# Altium PCB board_layout.pcbdoc (part 1 of 3)
Units mm, origin at the board's own origin, x right, y up, seen from the top; angles counter-clockwise.
Board outline 92.13 x 89.13 mm, 2 copper layers (Top Layer, Bottom Layer), stack 1.57 mm thick; 193 components, 117 nets, 632 pads, 279 vias.
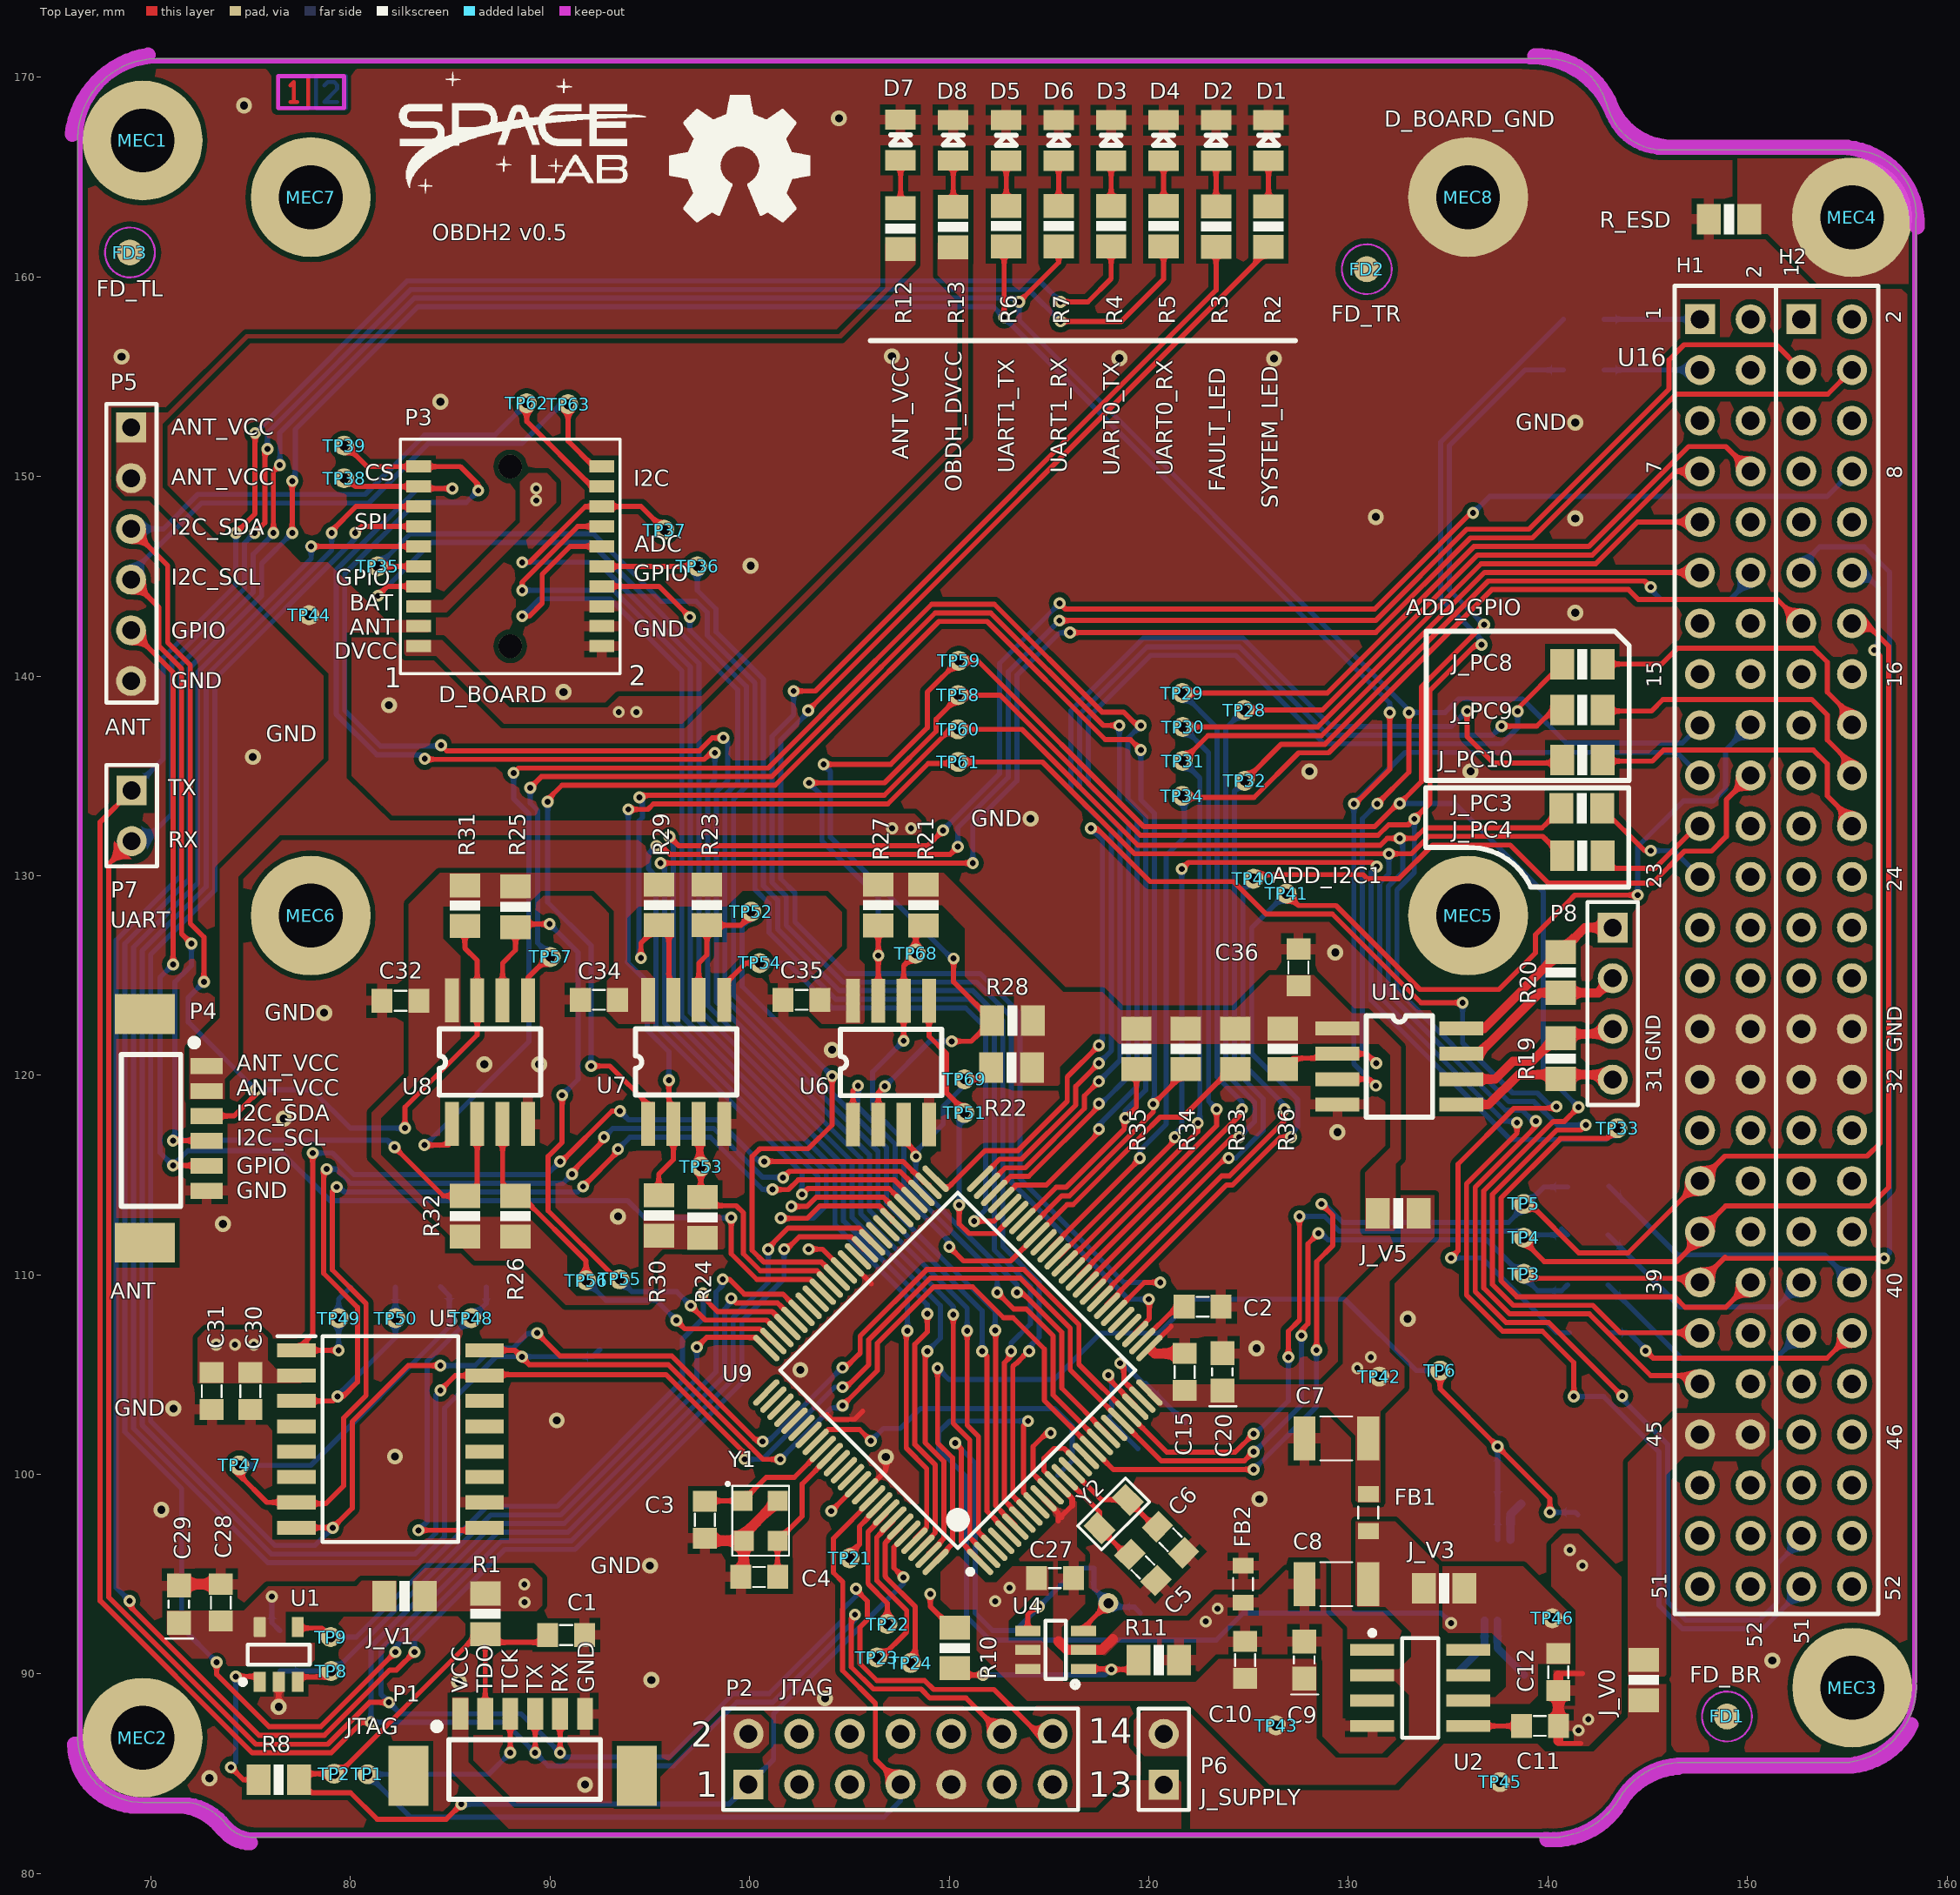
[diagram p0: Top Layer view]
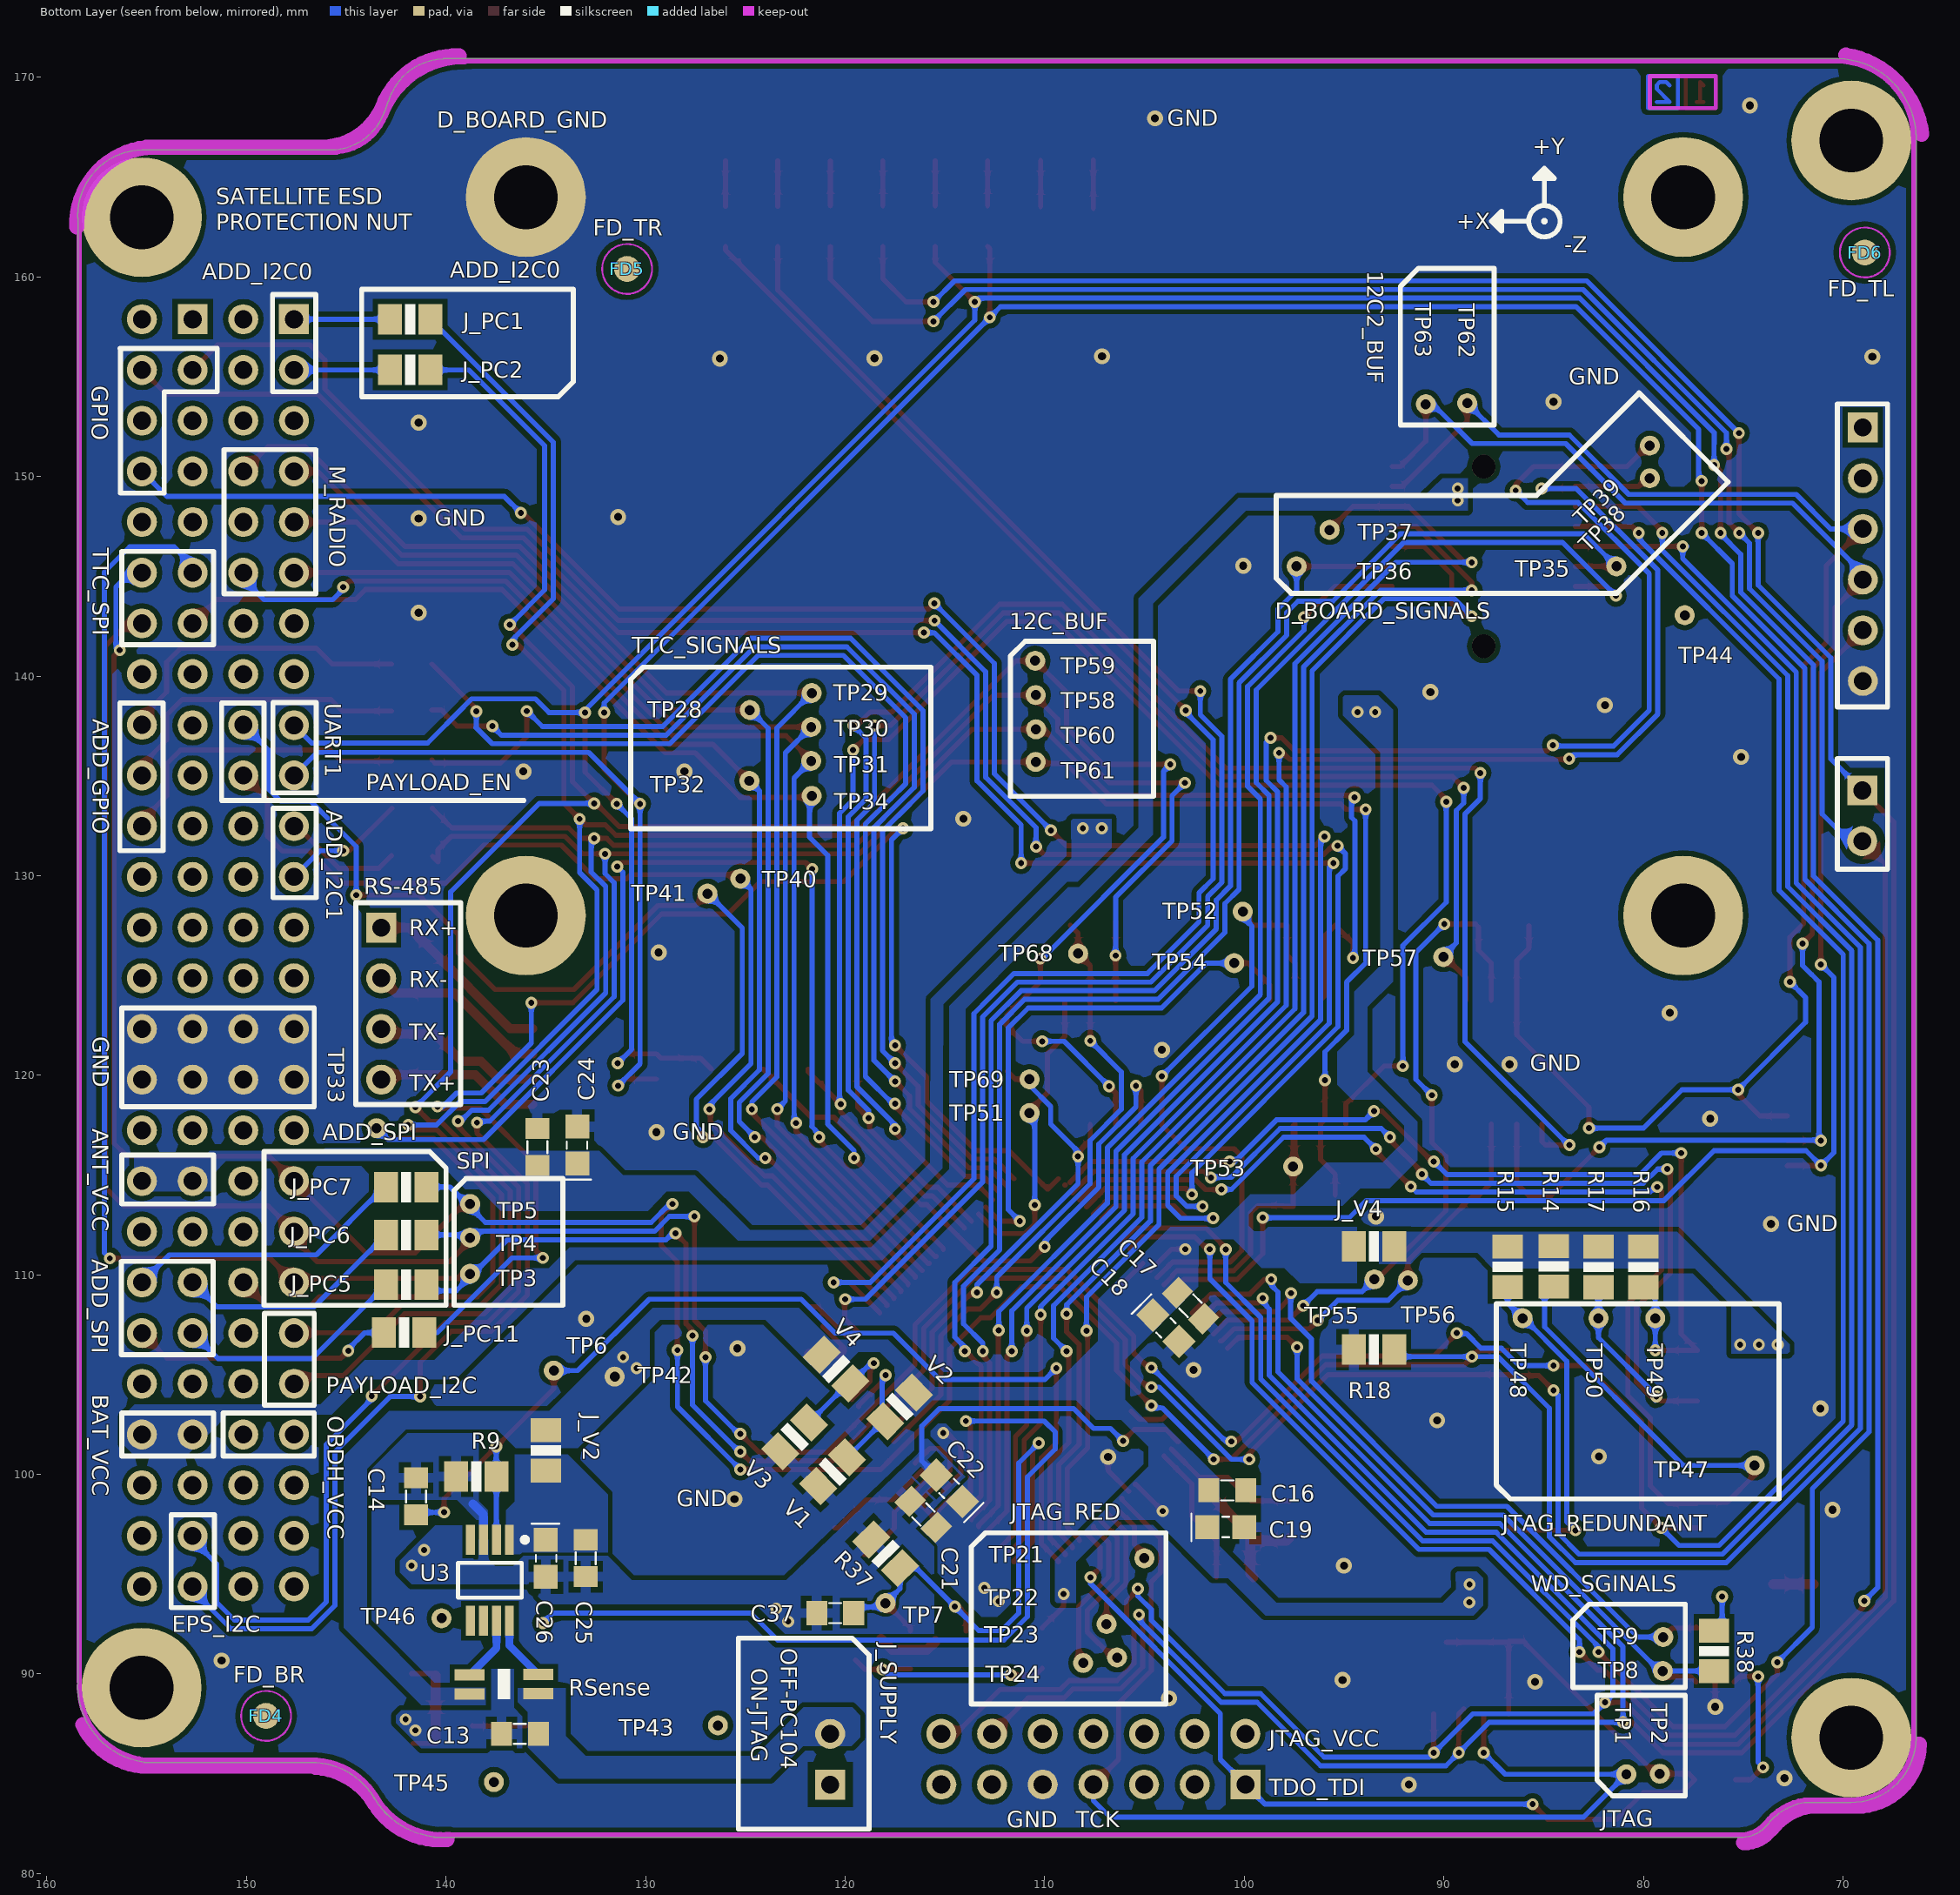
[diagram p1: Bottom Layer view, seen from below]
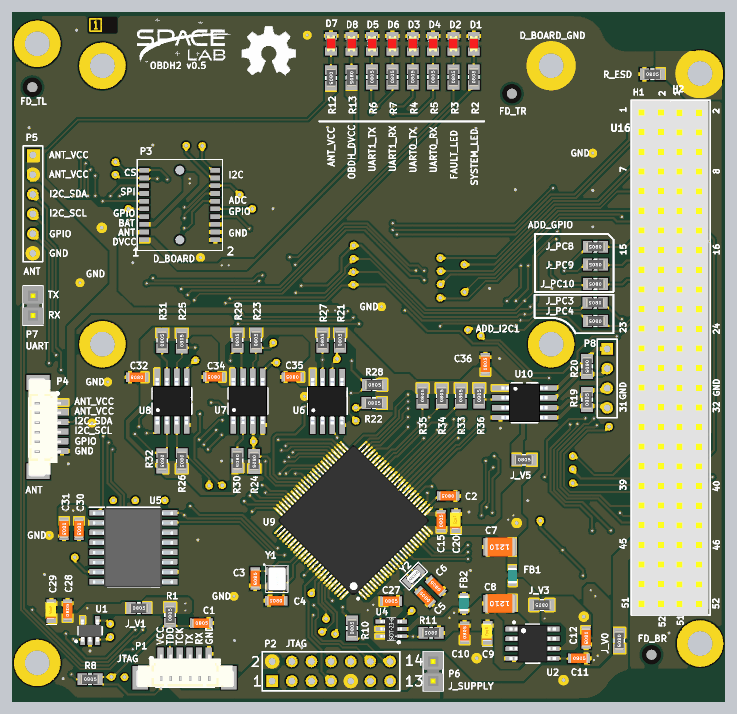
[diagram p4: 3D render of the assembled board from above, using the file's embedded part models]
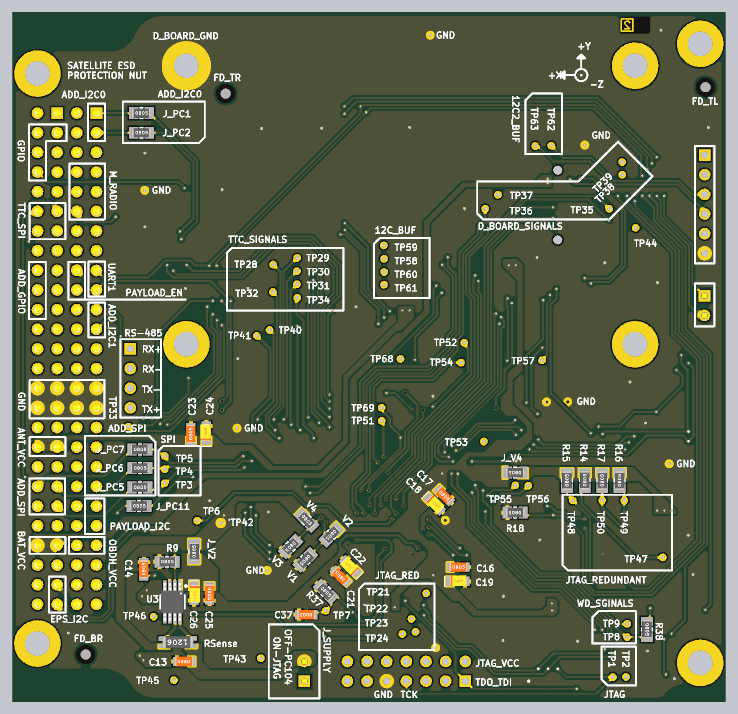
[diagram p5: 3D render of the assembled board from below, using the file's embedded part models]

## Layer stack, top to bottom
Top Solder: solder mask 0.01, Solder Resist, Dk 3.5
Top Layer: signal copper 0.035
Dielectric Core: core 1.5, FR-4, Dk 4.8
Bottom Layer: signal copper 0.035
Bottom Solder: solder mask 0.01, Solder Resist, Dk 3.5

## Board outline
71.919,83.561 cw(c71.435,80.649) 73.785,82.436 ccw(c73.886,82.513) 73.79,82.429 ccw(c75.159,83.622) 75.18,81.806 ccw(c75.159,83.622) 75.18,81.806 75.179,81.806 140.53,81.806 ccw(c140.53,81.934) 140.622,81.845 ccw(c140.155,85.82) 143.595,83.776 ccw(c143.485,83.841) 143.595,83.776 cw(c146.742,81.914) 146.475,85.561 155.084,85.561 ccw(c155.084,85.688) 155.156,85.583 ccw(c154.589,89.404) 158.452,89.404 ccw(c154.589,89.404) 158.434,89.77 158.434,162.921 ccw(c158.329,162.993) 158.456,162.99 ccw(c155.156,163.066) 158.457,163.066 ccw(c155.156,163.066) 155.232,166.365 ccw(c155.229,166.238) 155.229,166.365 145.771,166.365 ccw(c145.771,166.238) 145.765,166.365 ccw(c145.759,166.238) 145.759,166.365 cw(c145.771,169.193) 143.145,168.146 ccw(c143.027,168.099) 143.124,168.181 142.846,168.901 ccw(c142.728,168.855) 142.839,168.917 ccw(c142.711,168.917) 142.839,168.917 ccw(c142.711,168.917) 142.831,168.961 ccw(c140.021,167.944) 140.174,170.929 ccw(c140.121,170.813) 140.121,170.94 70.279,170.94 ccw(c70.279,170.813) 70.263,170.939 ccw(c70.256,170.812) 70.253,170.94 ccw(c70.333,166.938) 66.33,166.967 ccw(c66.454,166.938) 66.327,166.938 66.327,86.788 ccw(c66.454,86.788) 66.327,86.787 ccw(c69.579,86.813) 69.604,83.561 ccw(c69.579,86.813) 69.605,83.561 69.604,83.561

## Design rules (kind name [scope] priority, off if disabled: settings)
Clearance Clearance_6 [InNet('GND')] p1: gap=0.254 ignorepadtopadclearanceinfootprint=FALSE except(0: Arc-Hole Track-Hole SMDPad-Hole THPad-Hole Via-Hole Fill-Hole Poly-Hole Region-Hole Text-Hole; 0.178: Arc-Arc Arc-Track Arc-SMDPad Track-Track Track-SMDPad SMDPad-SMDPad; 0.381: Arc-Text Track-Text SMDPad-Text THPad-Text Via-Text; 0.508: Fill-Text Poly-Text Region-Text Text-Text)
Clearance Clearance_1 [InNet('ESD') And OnLayer('Multi-Layer') vs OnLayer('Keep-Out Layer')] p2: gap=0.254 ignorepadtopadclearanceinfootprint=FALSE except(0: Arc-SMDPad Arc-THPad Arc-Via Arc-Hole Track-SMDPad Track-THPad Track-Via Track-Hole SMDPad-Hole THPad-Hole Via-Hole Fill-Hole Poly-Hole Region-Hole Text-Hole; 0.178: Arc-Arc Arc-Track Track-Track SMDPad-SMDPad; 0.381: Arc-Text Track-Text SMDPad-Text THPad-Text Via-Text; 0.508: Fill-Text Poly-Text Region-Text Text-Text)
Clearance Clearance_2 [OnLayer('Multi-Layer') vs OnLayer('Keep-Out Layer')] p3: gap=0.254 ignorepadtopadclearanceinfootprint=FALSE except(0: Arc-SMDPad Arc-THPad Arc-Via Arc-Hole Track-SMDPad Track-THPad Track-Via Track-Hole SMDPad-Hole THPad-Hole Via-Hole Fill-Hole Poly-Hole Region-Hole Text-Hole; 0.178: Arc-Arc Arc-Track Track-Track SMDPad-SMDPad; 0.381: Arc-Text Track-Text SMDPad-Text THPad-Text Via-Text; 0.508: Fill-Text Poly-Text Region-Text Text-Text)
Clearance [All] p4: gap=0.178 ignorepadtopadclearanceinfootprint=FALSE except(0: Arc-Hole Track-Hole SMDPad-Hole THPad-Hole Via-Hole Fill-Hole Poly-Hole Region-Hole Text-Hole; 0.177: Arc-SMDPad Arc-Via Track-SMDPad Track-Via)
DiffPairsRouting DiffPairsRouting_1 [InDifferentialPair('XT2')] p1: maxlimit=0.254 minlimit=0.254 mostfreqgap=0.254 toplayer_minwidth=0.254 toplayer_maxwidth=0.254 toplayer_prefwidth=0.254 bottomlayer_minwidth=0.254 bottomlayer_maxwidth=0.254 bottomlayer_prefwidth=0.254 maxuncoupledlength=12.7
DiffPairsRouting [All] p2: maxlimit=0.152 minlimit=0.152 mostfreqgap=0.152 toplayer_minwidth=0.457 toplayer_maxwidth=0.457 toplayer_prefwidth=0.457 bottomlayer_minwidth=0.457 bottomlayer_maxwidth=0.457 bottomlayer_prefwidth=0.457 maxuncoupledlength=12.7
HoleSize [All] p1: absolutevalues=TRUE maxlimit=5.08 minlimit=0.025 maxpercent=80.000 minpercent=20.000
MinimumSolderMaskSliver [All] p1: minsoldermaskwidth=0
PlaneConnect [InNetClass('power')] p1: planeconnectstyle=Direct reliefexpansion=0.508 reliefentries=4 reliefconductorwidth=0.254 reliefairgap=0.254
PlaneConnect PlaneConnect_1 [All] p2: planeconnectstyle=Relief reliefexpansion=0.508 reliefentries=4 reliefconductorwidth=0.254 reliefairgap=0.254
PolygonConnect PolygonConnect_3 [InNet('GND') vs InNet('GND')] p1: thpad.connectstyle=Direct thpad.reliefconductorwidth=0.508 thpad.reliefentries=4 thpad.polygonreliefangle="90 Angle" thpad.airgapwidth=0.254 smdpad.connectstyle=Relief smdpad.reliefconductorwidth=0.508 smdpad.reliefentries=4 smdpad.polygonreliefangle="90 Angle" smdpad.airgapwidth=0.254 via.connectstyle=Direct via.reliefconductorwidth=0.508 via.reliefentries=4 via.polygonreliefangle="90 Angle" via.airgapwidth=0.254
PolygonConnect PolygonConnect_2 [InNet('AGND') vs InNet('AGND')] p2: thpad.connectstyle=Direct thpad.reliefconductorwidth=0.254 thpad.reliefentries=4 thpad.polygonreliefangle="90 Angle" thpad.airgapwidth=0.254 smdpad.connectstyle=Relief smdpad.reliefconductorwidth=0.508 smdpad.reliefentries=4 smdpad.polygonreliefangle="90 Angle" smdpad.airgapwidth=0.254 via.connectstyle=Direct via.reliefconductorwidth=0.254 via.reliefentries=4 via.polygonreliefangle="90 Angle" via.airgapwidth=0.254
PolygonConnect [InNetClass('power')] p3: connectstyle=Direct reliefconductorwidth=0.254 reliefentries=4 polygonreliefangle="90 Angle" airgapwidth=0.254
PolygonConnect PolygonConnect_1 [All] p4: connectstyle=Direct reliefconductorwidth=0.254 reliefentries=4 polygonreliefangle="90 Angle" airgapwidth=0.254
RoutingVias [All] p1: holewidth=0.3 width=0.6 viastyle="Through Hole" minholewidth=0.3 minwidth=0.6 maxholewidth=0.9 maxwidth=1.5
SilkToSilkClearance [All] p1: silktosilkclearance=0.127
SilkToSolderMaskClearance [IsPad] p1: minsilkscreentomaskgap=0 clearancetoexposedcopper=TRUE
SolderMaskExpansion [All] p1: expansion=0.178
Width Width_Power [InNetClass('Power')] p1: maxlimit=0.762 minlimit=0.508 preferedwidth=0.508
Width [All] p2: maxlimit=1.778 minlimit=0.127 preferedwidth=0.254
24 further rules are at their usual default settings.

## Classes and differential pairs
component class 0_architecture: FD1 FD2 FD3 FD4 FD5 FD6 M1 M2 M3 M4 M5 M6 M7 M8 MEC1 MEC2 MEC3 MEC4 MEC5 MEC6 MEC7 MEC8
component class "Communication Buffers": C32 C34 C35 C36 J_V5 R19 R20 R21 R22 R23 R24 R25 R26 R27 R28 R29 R30 R31 R32 R33 R34 R35 R36 TP51 TP52 TP53 TP54 TP55 TP56 TP57 TP58 TP59 TP60 TP61 TP62 TP63 TP68 TP69 U6 U7 U8 U10
component class Analog_Circuits: C7 C8 C9 C10 C11 C12 C13 C14 C15 C16 C17 C18 C19 C20 C21 C22 C23 C24 C25 C26 C27 C28 C29 C37 D7 D8 FB1 FB2 J_V1 J_V2 J_V3 R8 R9 R10 R11 R12 R13 R37 R38 RSense TP42 TP43 TP44 TP45 TP46 U1 U2 U3 U4
component class Interface: J_PC1 J_PC2 J_PC3 J_PC4 J_PC5 J_PC6 J_PC7 J_PC8 J_PC9 J_PC10 J_PC11 J_V0 P1 P2 P3 P4 P5 P6 P7 P8 R_ESD U16
component class MCU_OBDH: C1 C2 C3 C4 C5 C6 D1 D2 D3 D4 D5 D6 R1 R2 R3 R4 R5 R6 R7 TP1 TP2 TP3 TP4 TP5 TP6 TP7 TP8 TP9 TP21 TP22 TP23 TP24 TP28 TP29 TP30 TP31 TP32 TP33 TP34 TP35 TP36 TP37 TP38 TP39 TP40 TP41 U9 V1 V2 V3 V4 Y1 Y2
component class "Non Volatile Memory": C30 C31 J_V4 R14 R15 R16 R17 R18 TP47 TP48 TP49 TP50 U5
differential pair RS485_TX: +RS485_TX_P -RS485_TX_N
differential pair RS485_RX: +RS485_RX_P -RS485_RX_N
differential pair VSENSE2: +VSENSE2_P -VSENSE2_N
differential pair XT2: +XT2_P -XT2_N

## Components (designator, comment, footprint, x,y, rotation, side; value= is the part's Value field where it differs from the comment)
C1 "1nF/16V" CC0805 90.801,91.954 r0 top
C2 "0.47uF/50V" CC0805 122.7,108.4 r180 top
C3 "10pF/100V" CC0805 97.75,97.725 r270 top
C4 "10pF/100V" CC0805 100.472,94.861 r180 top
C5 "12pF/50V" CC0805 119.708,95.338 r135 top
C6 "12pF/50V" CC0805 121.093,96.725 r135 top
C7 "22uF/16V" CC1210 129.4,101.8 r180 top
C8 "22uF/16V" CC1210 129.4,94.5 r180 top
C9 "10uF/10V" CC0805_Tantalum 127.8,90.7 r90 top
C10 "0.1uF/25V" CC0805 124.825,90.7 r90 top
C11 "0.01uF/25V" CC0805 139.6,87.4 r0 top
C12 "0.1uF/25V" CC0805 140.525,90.094 r270 top
C13 "0.1uF/25V" CC0805 136.3,87 r0 bottom
C14 "0.1uF/25V" CC0805 141.5,98.9 r90 bottom
C15 "0.1uF/25V" CC0805 121.8,105.131 r90 top
C16 "0.1uF/25V" CC0805 100.85,99.2 r180 bottom
C17 "0.1uF/25V" CC0805 102.693,108.455 r225 bottom
C18 "10uF/10V" CC0805_Tantalum 103.925,107.325 r225 bottom
C19 "10uF/10V" CC0805_Tantalum 100.925,97.35 r180 bottom
C20 "10uF/10V" CC0805_Tantalum 123.7,105.14 r90 top
C21 "0.1uF/25V" CC0805 116.081,98 r45 bottom
C22 "10uF/10V" CC0805_Tantalum 114.781,99.3 r45 bottom
C23 "0.1uF/25V" CC0805 135.425,116.4 r90 bottom
C24 "10uF/10V" CC0805_Tantalum 133.425,116.5 r90 bottom
C25 "0.1uF/25V" CC0805 133,95.8 r270 bottom
C26 "10uF/10V" CC0805_Tantalum 135,95.8 r270 bottom
C27 "0.1uF/25V" CC0805 115.3,94.8 r0 top
C28 "0.1uF/25V" CC0805 73.5,93.575 r90 top
C29 "10uF/10V" CC0805_Tantalum 71.4,93.5 r90 top
C30 "100nF/50V" CC0805 74.975,104.172 r270 top
C31 "4.7uF/25V" CC0805 73.041,104.172 r270 top
C32 "0.01uF/25V" CC0805 82.5,123.735 r180 top
C34 "0.01uF/25V" CC0805 92.447,123.78 r180 top
C35 "0.01uF/25V" CC0805 102.601,123.78 r180 top
C36 "0.1uF/25V" CC0805 127.5,125.4 r90 top
C37 "0.1uF/25V" CC0805 120.5,93.05 r0 bottom
D1 "Orange" 0805-LED 126,166.85 r90 top
D2 "Orange" 0805-LED 123.371,166.85 r90 top
D3 "Orange" 0805-LED 118.114,166.85 r90 top
D4 "Orange" 0805-LED 120.743,166.85 r90 top
D5 "Orange" 0805-LED 112.857,166.85 r90 top
D6 "Orange" 0805-LED 115.486,166.85 r90 top
D7 "DNP" 0805-LED 107.56,166.875 r90 top
D8 "DNP" 0805-LED 110.2,166.856 r90 top
FB1 "30R@100Mhz, 3A" IND0805 131,98.091 r270 top
FB2 "30R@100Mhz, 3A" IND0805 124.725,94.5 r270 top
FD1 "Fiducial 1.3" "Fiducial 1.3mm" 148.975,87.868 r0 top
FD2 "Fiducial 1.3" "Fiducial 1.3mm" 130.925,160.389 r0 top
FD3 "Fiducial 1.3" "Fiducial 1.3mm" 68.942,161.225 r0 top
FD4 "Fiducial 1.3" "Fiducial 1.3mm" 149.02,87.9 r180 bottom
FD5 "Fiducial 1.3" "Fiducial 1.3mm" 130.925,160.4 r180 bottom
FD6 "Fiducial 1.3" "Fiducial 1.3mm" 68.9,161.225 r180 bottom
J_PC1 "0R" 0805 141.8,157.88 r180 bottom
J_PC2 "0R" 0805 141.8,155.34 r180 bottom
J_PC3 "0R" 0805 141.7,133.38 r180 top
J_PC4 "0R" 0805 141.725,131 r180 top
J_PC5 "0R" 0805 142,109.5 r180 bottom
J_PC6 "0R" 0805 142,112 r180 bottom
J_PC7 "0R" 0805 142,114.4 r180 bottom
J_PC8 "0R" 0805 141.725,140.6 r180 top
J_PC9 "0R" 0805 141.725,138.3 r180 top